# Altium PCB Colin.PcbDoc
Units mil, origin at the board's own origin, x right, y up, seen from the top; angles counter-clockwise.
Board outline 3846.46 x 9071.65 mil, 2 copper layers (Top Layer, Bottom Layer); 41 components, 8 nets, 180 pads, 0 vias.
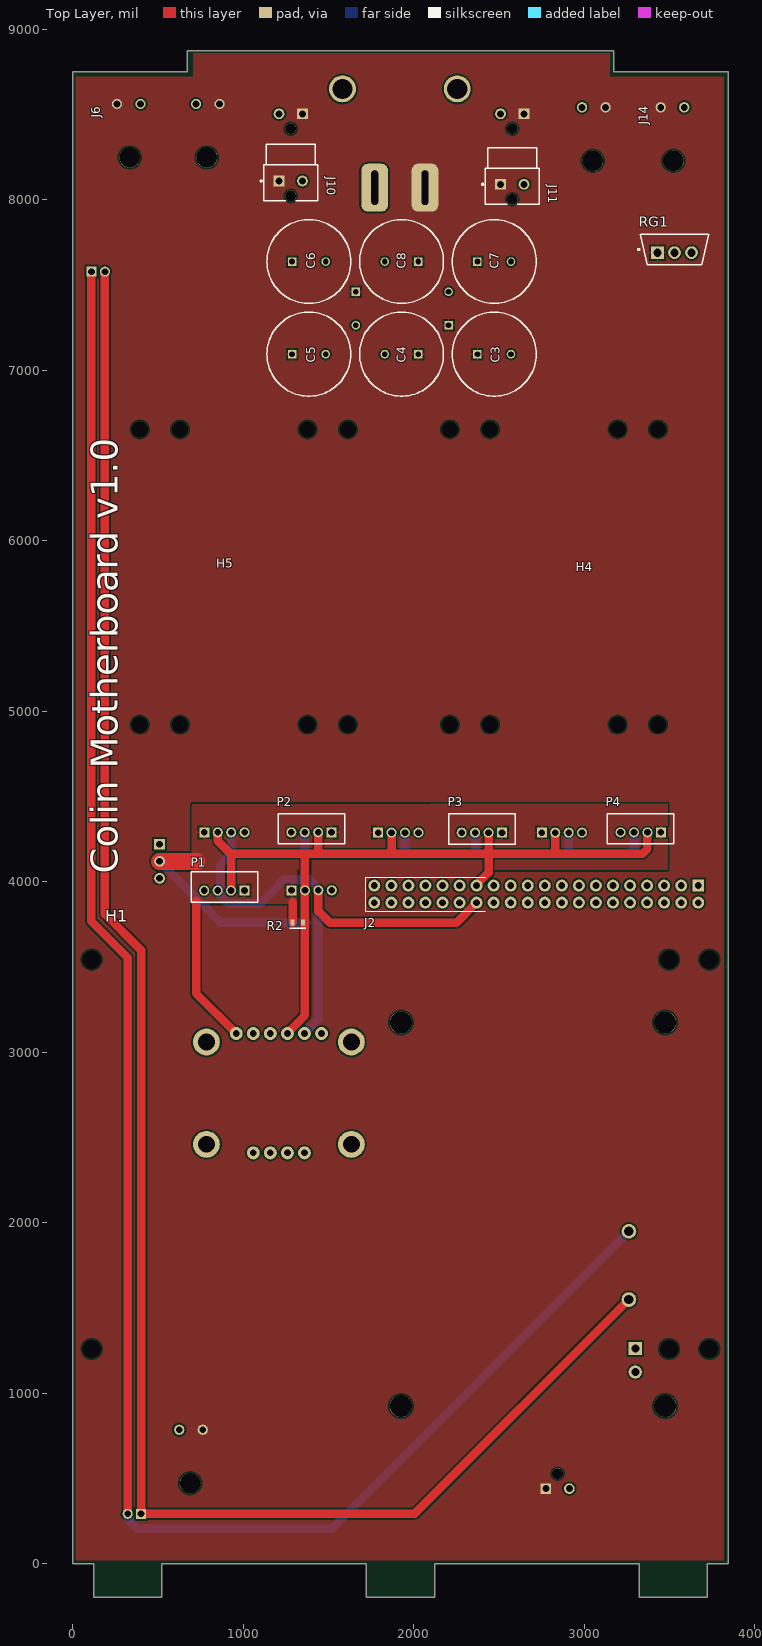
[diagram p0: Top Layer view]
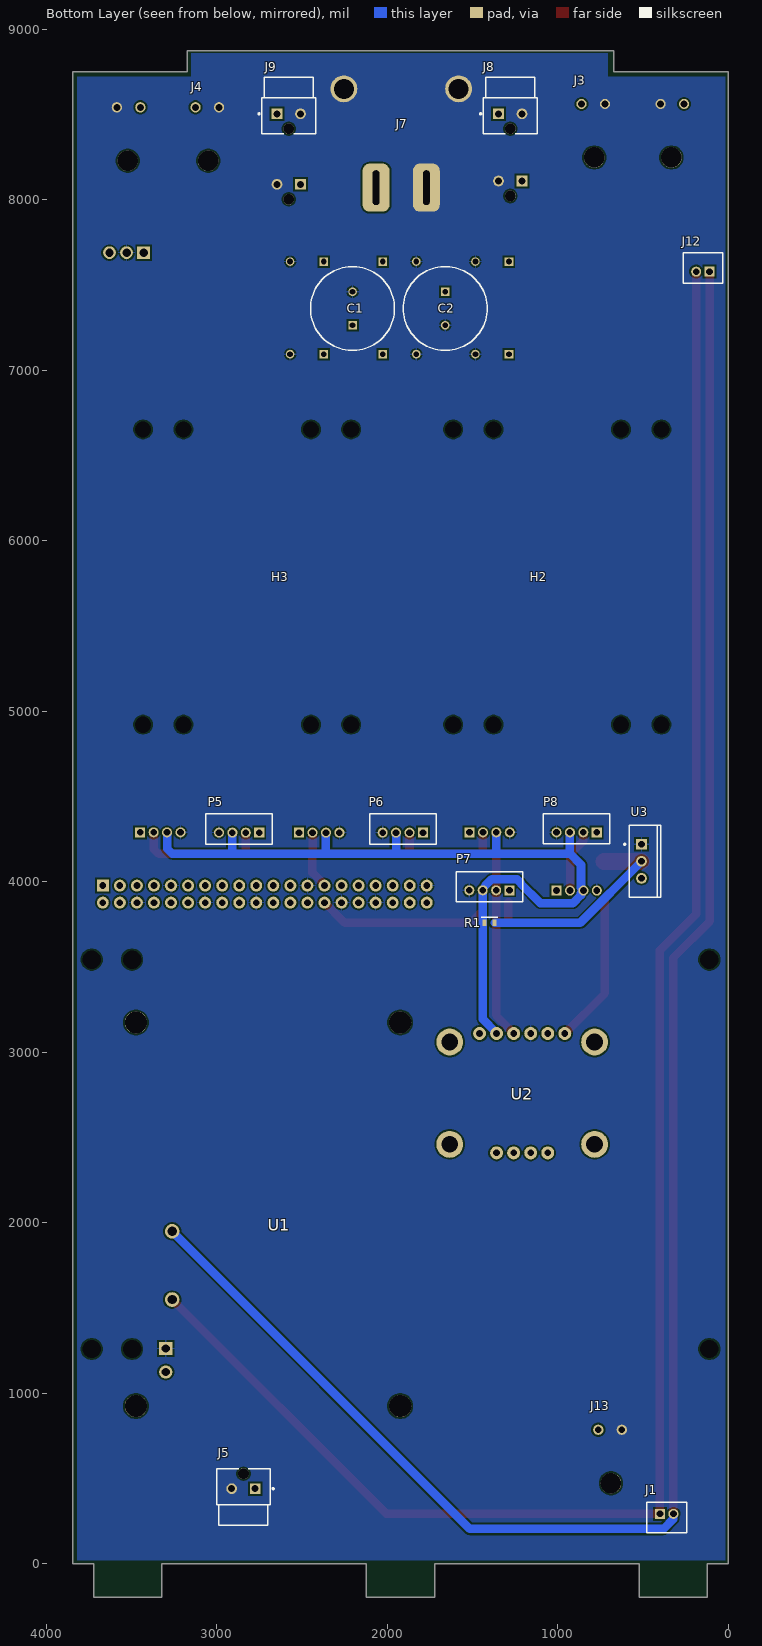
[diagram p1: Bottom Layer view, seen from below]

## Layer stack, top to bottom
Top Solder: solder mask 0.4, Solder Resist, Dk 3.5
Top Layer: signal copper 1.4
Dielectric 1: dielectric 12.6, FR-4, Dk 4.8
Bottom Layer: signal copper 1.4
Bottom Solder: solder mask 0.4, Solder Resist, Dk 3.5

## Board outline
123.23,-196.85 123.23,0 0,0 0,8749.61 673.23,8749.61 673.23,8874.8 3173.23,8874.8 3173.23,8749.61 3846.46,8749.61 3846.46,0 3723.23,0 3723.23,-196.85 3323.23,-196.85 3323.23,0 2123.23,0 2123.23,-196.85 1723.23,-196.85 1723.23,0 523.23,0 523.23,-196.85

## Design rules (kind name [scope] priority, off if disabled: settings)
Clearance [All] p1: gap=10 ignorepadtopadclearanceinfootprint=FALSE except(0: Arc-Hole Track-Hole SMDPad-Hole THPad-Hole Via-Hole Fill-Hole Poly-Hole Region-Hole Text-Hole; 5.91: Arc-Arc Arc-Track Track-Track; 7.87: SMDPad-Via)
HoleSize [All] p1: absolutevalues=TRUE maxlimit=248.03 minlimit=7.87 maxpercent=80.000 minpercent=20.000
HoleToHoleClearance [All] p1: gap=19.68 allowstackedmicrovias=TRUE
MinimumAnnularRing [All] p1: minimumring=7.87
PolygonConnect PolygonConnect_boardpower [(HasFootprint('2CONTAC_ULTRAFIT_R/A') OR HasFootprint('Molex_172286-1102_0') OR HasFootprint('172043-0202'))] p1: connectstyle=Direct reliefconductorwidth=10 reliefentries=4 polygonreliefangle="90 Angle" airgapwidth=10
PolygonConnect [All] p2: connectstyle=Relief reliefconductorwidth=10 reliefentries=4 polygonreliefangle="90 Angle" airgapwidth=10
RoutingVias [All] p1: holewidth=28 width=50 viastyle="Through Hole" minholewidth=28 minwidth=50 maxholewidth=28 maxwidth=50
SilkToSolderMaskClearance [IsPad] p1: minsilkscreentomaskgap=5.91 clearancetoexposedcopper=TRUE
SolderMaskExpansion [All] p1: expansion=4 istentingtop=FALSE
UnpouredPolygon [All] p1: allowunpoured=TRUE
Width [All] p1: maxlimit=100 minlimit=7.87 preferedwidth=50 minimp=50.000000 maximp=50.000000 favimp=50.000000
26 further rules are at their usual default settings.

## Components (designator, comment, footprint, x,y, rotation, side; value= is the part's Value field where it differs from the comment)
C1 "EEU-FC1E102B" EEU-FC1E102B 2204.72,7263.78 r90 bottom
C2 "EEU-FC1E102B" EEU-FC1E102B 1661.25,7460.63 r270 bottom
C3 "EEU-FC1E102B" EEU-FC1E102B 2374.18,7094.32 r0 top
C4 "EEU-FC1E102B" EEU-FC1E102B 2027.56,7094.32 r180 top
C5 "EEU-FC1E102B" EEU-FC1E102B 1287.23,7094.32 r0 top
C6 "EEU-FC1E102B" EEU-FC1E102B 1287.23,7637.8 r0 top
C7 "EEU-FC1E102B" EEU-FC1E102B 2374.18,7637.8 r0 top
C8 "EEU-FC1E102B" EEU-FC1E102B 2027.56,7637.8 r180 top
H1 "Jetson Xavier NX mounting holes" "Jetson mounting holes" -45.28,590.55 r0 top
H2 "ESC mounting holes (2 per symbol)" "Jonathon ESC mounting holes" 1732.28,4803.15 r180 bottom
H3 "ESC mounting holes" "Jonathon ESC mounting holes" 3314.96,4803.15 r180 bottom
H4 "ESC mounting holes" "Jonathon ESC mounting holes" 2330.71,4803.15 r0 top
H5 "ESC mounting holes" "Jonathon ESC mounting holes" 275.59,4803.15 r0 top
J1 "B2B-PH-K-S(LF)(SN)" JST-B2B-PH-K-S_V 362.2,271.65 r180 bottom
J2 "2x20 male pin header" "2x20 pin header" 2719.29,3927.95 r180 top
J3 "MOLEX_172310-1202-R/A" 2CONTAC_ULTRAFIT_R/A 792.91,8660.24 r180 bottom
J4 "MOLEX_172310-1202-R/A" 2CONTAC_ULTRAFIT_R/A 3056.69,8640.55 r180 bottom
J5 "MOLEX_172286-1102-V" Molex_172286-1102_0 2844.49,440.94 r0 bottom
J6 "MOLEX_172310-1202-R/A" 2CONTAC_ULTRAFIT_R/A 329.13,8660.24 r0 top
J7 "Super Sabre 2 Pos Connector" 172043-0202 2333.86,8172.24 r180 bottom
J8 "MOLEX_172286-1102-V" Molex_172286-1102_0 1279.53,8503.94 r180 bottom
J9 "MOLEX_172286-1102-V" Molex_172286-1102_0 2578.74,8503.94 r180 bottom
J10 "MOLEX_172286-1102-V" Molex_172286-1102_0 1279.53,8110.24 r0 top
J11 "MOLEX_172286-1102-V" Molex_172286-1102_0 2578.74,8090.55 r0 top
J12 "B2B-PH-K-S(LF)(SN)" JST-B2B-PH-K-S_V 150,7600 r0 bottom
J13 "MOLEX_172310-1202-R/A" 2CONTAC_ULTRAFIT_R/A 694.49,884.65 r180 bottom
J14 "MOLEX_172310-1202-R/A" 2CONTAC_ULTRAFIT_R/A 3518.11,8640.55 r0 top
P1 "B4B-PH-K-S(LF)(SN)" JST-B4B-PH-K-S_V 890,3970 r180 top
P2 "B4B-PH-K-S(LF)(SN)" JST-B4B-PH-K-S_V 1400.63,4311.65 r180 top
P3 "B4B-PH-K-S(LF)(SN)" JST-B4B-PH-K-S_V 2400,4310 r180 top
P4 "B4B-PH-K-S(LF)(SN)" JST-B4B-PH-K-S_V 3331.89,4311.65 r180 top
P5 "B4B-PH-K-S(LF)(SN)" JST-B4B-PH-K-S_V 2870,4310 r0 bottom
P6 "B4B-PH-K-S(LF)(SN)" JST-B4B-PH-K-S_V 1910,4310 r0 bottom
P7 "B4B-PH-K-S(LF)(SN)" JST-B4B-PH-K-S_V 1401.89,3971.65 r0 bottom
P8 "B4B-PH-K-S(LF)(SN)" JST-B4B-PH-K-S_V 890.63,4311.65 r0 bottom
R1 "SG73G1JTTD2201D" SG73G1JTTD2201D 1401.57,3759.84 r180 bottom
R2 "SG73G1JTTD2201D" SG73G1JTTD2201D 1320.47,3760 r180 top
RG1 "Reg_ON_Semi_MC7805ACTG_eec" ON_Semi_221AB_0 3530,7708.41 r90 top
U1 "FathomX" FATHOM-X 3600.2,3300 r270 bottom
U2 "Adafruit BNO055 IMU" "Adafruit BNO055 IMU" 684.84,3160.24 r0 bottom
U3 "LM1085IT-3.3/NOPB" NDE0003A 510,4120 r270 bottom

## Footprints (in the part's own frame and the unit in brackets; to place one, negate y for a bottom-side part, rotate by r counter-clockwise, add the part's x,y. Pads: shape width x height; smd on the part's side, far side on the other; paste and mask are expansions set on the pad)
2CONTAC_ULTRAFIT_R/A [mm]
  round 1.53 hole 1.02: 1(-1.75,-2.5) 2(1.75,-2.5)
  round 3.05 hole 3.05 unplated: MH1(0.14,-10.47)
  body extent -4.49,-17.65 4.51,-2.02, height 8.56
"2x20 pin header" [mil]
  rect 70x70 / inner round 64.67 / far side rect 70x70 hole 39.37: 1(-950,-50)
  round 70 hole 39.37: 2(-950,50) 3(-850,-50) 4(-850,50) 5(-750,-50) 6(-750,50) 7(-650,-50) 8(-650,50) 9(-550,-50) 10(-550,50) 11(-450,-50) 12(-450,50) 13(-350,-50) 14(-350,50) 15(-250,-50) 16(-250,50) 17(-150,-50) 18(-150,50) 19(-50,-50) 20(-50,50) 21(50,-50) 22(50,50) 23(150,-50) 24(150,50) 25(250,-50) 26(250,50) 27(350,-50) 28(350,50) 29(450,-50) 30(450,50) 31(550,-50) 32(550,50) 33(650,-50) 34(650,50) 35(750,-50) 36(750,50) 37(850,-50) 38(850,50) 39(950,-50) 40(950,50)
  silkscreen extent 300,-100 1000,100, body extent -992,-98 978,98, height 415
172043-0202 [mm] "Super Sabre R/A 2 position connector"
  rrect50% 4x7.15 / inner round 4 / far side rrect50% 4x7.15 hole 5.15 slot 1 at 0 deg: 1(6.79,-2.575)
  round 4 hole 3: 2(1.99,12.14) 2(19.08,12.14)
  rrect50% 4x7.15 / inner round 4 / far side rrect50% 4x7.14 hole 5.15 slot 1 at 0 deg: 2(14.28,-2.575)
  body extent -0.04,-4.69 21.04,15.19, height 13.08
"Adafruit BNO055 IMU" [mm]
  round 1.93 hole 1: 1(9.525,19.05) 2(12.065,19.05) 3(14.605,19.05) 4(17.145,19.05) 5(6.985,1.27) 6(9.525,1.27) 7(12.065,1.27) 8(14.605,1.27) 9(17.145,1.27) 10(19.685,1.27)
  round 4 hole 2.5: BLMOUNT(2.54,2.54) BRMOUNT(24.13,2.54) TLMOUNT(2.54,17.78) TRMOUNT(24.13,17.78)
  body extent 0,0 26.67,20.32, height 4.15
EEU-FC1E102B [mm]
  rect 1.275x1.275 hole 0.85: 1(0,0)
  round 1.275 hole 0.85: 2(5,0)
  silkscreen extent -3.75,-6.25 8.75,6.25, body extent -4,-6.5 9,6.5, height 22
FATHOM-X [mil]
  round 86 hole 55: 1(1350,337.5) 2(1750,337.5)
  rect 78x78 / inner round 72.06 / far side rect 78x78 hole 47.24: 3(2037.5,300)
  round 78 hole 47.24: 4(2175.3,300)
  round 130 hole 130 unplated: MH1(125,1675) MH2(2375,1675) MH3(2375,125) MH4(125,125)
  body extent 0,0 2543,1835, height 661
"Jetson mounting holes" [mm]
  round 1 hole 2.75: 4(4,17) 4(4,75) 4(90,17) 4(90,75) 4(96,17) 4(96,75)
  body extent 0,-2.51 100,78.51, height 24.69
"Jonathon ESC mounting holes" [mm]
  round 1.524 hole 2.4: 5(3,3) 6(28,3) 7(28,47) 8(3,47)
JST-B2B-PH-K-S_V [mm] "Connector, 2-Leads, Body 5.9x4.5mm, Pitch 2mm"
  rect 1.5x1.5 hole 1: 1(-1,0.55)
  round 1.5 hole 1: 2(1,0.55)
  silkscreen extent -2.95,-2.25 2.95,2.25, body extent -2.95,-2.25 2.95,2.25, height 6
JST-B4B-PH-K-S_V [mm] "Connector, 4-Leads, Body 9.9x4.5mm, Pitch 2mm"
  rect 1.5x1.5 hole 1: 1(-3,0.55)
  round 1.5 hole 1: 2(-1,0.55) 3(1,0.55) 4(3,0.55)
  silkscreen extent -4.95,-2.25 4.95,2.25, body extent -4.95,-2.25 4.95,2.25, height 6
Molex_172286-1102_0 [mm]
  rect 1.6x1.6 hole 1.05 paste-1000 mask+0: 1(-1.75,0)
  round 1.6 hole 1.05 paste-1000 mask+0: 2(1.75,0)
  round 1.6 hole 1.6 unplated paste-1000 mask+0: ""(0,-2.23)
  silkscreen extent -4.55,-2.93 4,5.48, body extent -4.5,-2.94 4.5,5.73, height 13.96
NDE0003A [mm] "FM, 3-Leads, Body 10.7x4.7mm, Pitch 2.54mm"
  rect 1.6x1.6 hole 1: 1(-2.54,0)
  round 1.6 hole 1: 2(0,0) 3(2.54,0)
  silkscreen extent -5.35,-2.63 5.35,2.85, body extent -5.4,-1.9 5.4,2.9, height 19.4
ON_Semi_221AB_0 [mm]
  rect 1.9x1.9 hole 1.25 paste-1000 mask+0: 1(-0.467,2.54)
  round 1.9 hole 1.25 paste-1000 mask+0: 2(-0.467,0) 3(-0.467,-2.54)
  silkscreen extent -2.25,-5.08 2.25,5.45, body extent -2.51,-5.24 2.51,5.24, height 0.25
SG73G1JTTD2201D [mm]
  rect 0.6x0.9 smd: 1(-0.75,0) 2(0.75,0)
  silkscreen extent -1.2,0.8 1.2,0.8

## Part data
H2: library part "ESC mounting holes"
J1 J12: library part CMP-2000-05162-1, "Male Header, Pitch 2 mm, 1 x 2 Position, Height 6 mm, Tail Length 3.4 mm, -25 to 85 degC, RoHS, Bulk", Manufacturer=JST, Datasheet URL=http://datasheet.octopart.com/B2B-PH-K-S%28LF%29%28SN%29-JST-datasheet-8324864.pdf, Datasheet Version=Nov-08, Manufacturer URL=http://www.jst.com/home2.html, No of Positions=2, Pitch=2mm, Style/Orientation=StraightHeader/Plug, Termination=Crimp, Type=ShroudedHeader
J3 J4 J6 J13 J14: "172310-1202. - CONNECTOR, HDR, 2POS, 1ROW, 3.5MM, R/A", Color=Black, Manufacturer=Molex, Manufacturer Part Number=172310-1202, Supplier Part Number 1=WM11587-ND, Category="Headers and Wire Housings", ComponentLink1Description=http://www.farnell.com/datasheets/2215923.pdf?src-supplier=Farnell, ComponentLink1URL=http://www.farnell.com/datasheets/2215923.pdf?src-supplier=Farnell, ComponentLink2Description=http://www.alliedelec.com/images/products/datasheets/bm/MOLEX/70617677.pdf?src-supplier=Allied+Electronics, ComponentLink2URL=http://www.alliedelec.com/images/products/datasheets/bm/MOLEX/70617677.pdf?src-supplier=Allied+Electronics, ComponentLink3Description=https://www.molex.com/pdm_docs/sd/1723101202_sd.pdf?src-supplier=Digi-Key, ComponentLink3URL=https://www.molex.com/pdm_docs/sd/1723101202_sd.pdf?src-supplier=Digi-Key, ComponentLink4Description=http://www.farnell.com/datasheets/1955765.pdf?src-supplier=Element14, ComponentLink4URL=http://www.farnell.com/datasheets/1955765.pdf?src-supplier=Element14, ComponentLink5Description=http://www.farnell.com/datasheets/1944206.pdf?src-supplier=Element14, ComponentLink5URL=http://www.farnell.com/datasheets/1944206.pdf?src-supplier=Element14, ComponentLink6Description=http://www.farnell.com/datasheets/2215923.pdf?src-supplier=Newark, ComponentLink6URL=http://www.farnell.com/datasheets/2215923.pdf?src-supplier=Newark, Connector Type="Male Pin", Contact Material="Copper Alloy", Contact Plating=Gold, Fastening Type=Latch, Gender=Male, Mount="Through Hole", Number Of Circuits=2, Number of Contacts=2, Number of Pins=2, Number of Positions=2, Number of Rows=1, Packaging=Tray, Pitch=0.138inch, Pricing 1="1=1.43000, 10=1.22000, 175=1.00749, 1050=0.79537, 4900=0.70523, 10150=0.68933 (USD)", REACH SVHC=Unknown, RoHS=Yes, RoHS Compliant=Yes, Stock 1=2743, Supplier 1=Digi-Key, Termination=Solder
J5 J8 J9 J10 J11: "172286-1102, CONNECTOR, HEADER, 2POS, 1ROW, 3.5MM", Color=Black, Current Rating=14A, Manufacturer=Molex, Manufacturer Part Number=172286-1102, Voltage Rating=400V, Category="Headers and Wire Housings", ComponentLink1Description=http://www.mouser.com/ds/2/276/1722861102_PCB_HEADERS-704547.pdf?src-supplier=Mouser, ComponentLink1URL=http://www.mouser.com/ds/2/276/1722861102_PCB_HEADERS-704547.pdf?src-supplier=Mouser, ComponentLink2Description=http://www.farnell.com/datasheets/2214269.pdf?src-supplier=Farnell, ComponentLink2URL=http://www.farnell.com/datasheets/2214269.pdf?src-supplier=Farnell, ComponentLink3Description=http://www.alliedelec.com/images/products/datasheets/bm/MOLEX/70617660.pdf?src-supplier=Allied+Electronics, ComponentLink3URL=http://www.alliedelec.com/images/products/datasheets/bm/MOLEX/70617660.pdf?src-supplier=Allied+Electronics, ComponentLink4Description=https://www.molex.com/pdm_docs/sd/1722861102_sd.pdf?src-supplier=Digi-Key, ComponentLink4URL=https://www.molex.com/pdm_docs/sd/1722861102_sd.pdf?src-supplier=Digi-Key, ComponentLink5Description=http://www.farnell.com/datasheets/2214269.pdf?src-supplier=Newark, ComponentLink5URL=http://www.farnell.com/datasheets/2214269.pdf?src-supplier=Newark, ComponentLink6Description=http://www.farnell.com/datasheets/1955765.pdf?src-supplier=Element14, ComponentLink6URL=http://www.farnell.com/datasheets/1955765.pdf?src-supplier=Element14, ComponentLink7Description=http://www.farnell.com/datasheets/1944206.pdf?src-supplier=Element14, ComponentLink7URL=http://www.farnell.com/datasheets/1944206.pdf?src-supplier=Element14, Connector Type="Male Pin", Contact Material="Copper Alloy", Contact Plating=Tin, Fastening Type=Latch, Gender=Male, Mount="Through Hole", Number Of Circuits=2, Number of Contacts=2, Number of Pins=2, Number of Positions=2, Number of Rows=1, Orientation=Vertical, Packaging=Tray, Pitch=0.138inch, Pricing 1="1=0.73000, 10=0.61800, 440=0.48105, 2450=0.34360, 4900=0.33215, 12250=0.30466 (USD)", REACH SVHC=Unknown, RoHS=Yes, RoHS Compliant=Yes, Stock 1=6743, Supplier 1=Digi-Key, Termination=Solder
P1 P2 P3 P4 P5 P6 P7 P8: library part CMP-2000-05165-1, "Male Header, Pitch 2 mm, 1 x 4 Position, Height 6 mm, Tail Length 3.4 mm, -25 to 85 degC, RoHS, Bulk", Manufacturer=JST, Datasheet URL=http://datasheet.octopart.com/B4B-PH-K-S%28LF%29%28SN%29-JST-datasheet-10558886.pdf, Datasheet Version=Apr-09, Manufacturer URL=http://www.jst.com/home2.html, No of Positions=4, Pitch=2mm, Style/Orientation=StraightHeader/Plug, Termination=Crimp, Type=ShroudedHeader
R1 R2: "Res Thick Film 0603 2.2K Ohm 0.5% 0.33W(1/3W) ±50ppm/°C Pad SMD Automotive T/R", Manufacturer="KOA Speer", Manufacturer Part Number=SG73G1JTTD2201D, Pricing 1="1=0.06970, 10=0.06900, 25=0.05370, 50=0.05320, 100=0.04410, 250=0.04340, 500=0.04260, 1000=0.04170, 3000=0.04110 (USD)", RoHS=Yes, RoHS Compliant=Yes, Stock 1=4818, Supplier 1="Arrow Electronics", Supplier Part Number 1=SG73G1JTTD2201D
RG1: "REG IC REG LDO 5V 1A TO220AB", Digikey Part Number=MC7805ACTGOS-ND, Manufacturer="ON Semi", Mfg Package Ident=221AB, Mouser Part Number=863-MC7805ACTG, Part Number=MC7805ACTG, Temperature="0°C to +125°C", Temperature Range High=+125°C, Temperature Range Low=0°C, Voltage=5V, Voltage - Dropout (Typical)="2V @ 1A", Voltage - Input="Up to 35V", ComponentLink1Description=Upverter, ComponentLink1URL=https://upverter.com/upn/revision/ddcd03ab3a09e85f/, ComponentLink2Description=Datasheet, ComponentLink2URL=http://www.onsemi.com/pub_link/Collateral/MC7800-D.PDF, Digikey Description="REG IC REG LDO 5V 1A TO220AB", helpURL=https://upverter.com/upn/revision/ddcd03ab3a09e85f/, Ipc Land Pattern Name=TO-220, Lead Free=yes, Package=221AB, Price=0.328005676572, Regulator Topology="Positive Fixed", RoHS=TRUE, Supplier 1=Digi-Key, Supplier 2=Mouser, Supplier Part Number 1=MC7805ACTGOS-ND, Supplier Part Number 2=863-MC7805ACTG, Voltage - Output=5V
U3: library part CMP-0062-02540-3, "3A Low Dropout Positive Regulators, 3-pin TO-220, Pb-Free", Manufacturer="Texas Instruments", PackageTopMarking=NSUZXYTTE#*LM1085*IT-3.3, PowerWise=N, ComponentLink1Description="Datasheet URL", ComponentLink1URL=http://www.ti.com/general/docs/lit/getliterature.tsp?genericPartNumber=LM1085&fileType=pdf, CompType="LDO IC", PackageDescription="TO-220, Molded, 3 Lead, Straight", PackageReference=NDE0003A, PinCount=3, RoHS=Y

## Nets (pads, with @x,y where several pads share a name; then routed paths per layer and width w, separated by ;. In a path a pad name is that pad's centre, name@x,y a point inside that pad or via, vN(x,y) a via of type N, cw(c..) or ccw(c..) an arc to the next point about the centre after c; other vN are vias at no path point)
3V3: P1.1 P2.1 P3.1 P4.1 P5.1 P6.1 P7.1 P8.1 R1.2 R2.2 U2.5 U3.2 | length 2228.9
  Top Layer w50: 724.41,3889.45 724.41,3345.67 U2.5 ; 1290,3880 1290.94,3879.06 R2.2
  Top Layer w100: U3.2 730,4120
  Bottom Layer w50: U3.2 510,4118.98 869.14,3759.84 R1.2
+5: RG1.3
+12: C1.1 C2.1 C3.1 C4.1 C5.1 C6.1 C7.1 C8.1 J3.1 J4.1 J5.1 J6.1 J7.1 J8.1 J9.1 J10.1 J11.1 J13.1 J14.1 RG1.1 U1.4 U3.3
GND: C1.2 C2.2 C3.2 C4.2 C5.2 C6.2 C7.2 C8.2 J2.6 J2.9 J2.14 J2.20 J2.25 J2.30 J2.34 J2.39 J3.2 J4.2 J5.2 J6.2 J7.2 J8.2 J9.2 J10.2 J11.2 J13.2 J14.2 P1.4 P2.4 P3.4 P4.4 P5.4 P6.4 P7.4 P8.4 RG1.2 U1.3 U2.7 U3.1
NetJ1_1: J1.1 J12.2 U1.2 | length 10754.6
  Top Layer w50: J12.2 189.37,3810.91 401.57,3598.71 J1.1 2006,293.31 U1.2
NetJ1_2: J1.2 J12.1 U1.1 | length 11084.2
  Top Layer w50: J12.1@110,7570 110,3767.95 322.83,3555.12 J1.2 J1.2@324.57,291.57
  Bottom Layer w50: J1.2 324.57,291.57 324.57,261.76 381.6,204.72 1517.42,204.72 U1.1
SCL: J2.28 P1.3 P2.3 P3.3 P4.3 P5.3 P6.3 P7.3 P8.3 R1.1 U2.9 | length 6034.8
  Top Layer w50: P7.3 1441.26,3828.74 1510,3760 2251.34,3760 J2.28
  Bottom Layer w50: P8.3 930,4165.12 ; U2.9 U2.9@1359.84,3113.46 ; U2.9@1359.84,3117.27 U2.9@1359.84,3113.46 ; P2.3 1361.26,4166.06 1362.2,4165.12 ; 1427.05,3976.73 1389.25,4014.53 1239.75,4014.53 1219.25,3994.02 1219.25,3990.91 1102.36,3874.02 912.45,3874.02 864.84,3921.62 864.84,3931.68 850.63,3945.9 850.63,3950.8 864.84,3965.01 864.84,4099.96 930,4165.12 ; P7.3 1441.26,3194.88 U2.9@1359.84,3113.46 ; P6.3 1949.37,4165.67 1948.82,4165.12 ; P3.3 2360.63,4166.69 2362.2,4165.12 ; P5.3 2909.37,4165.19 2909.45,4165.12 ; P4.3 3292.52,4194.41 3263.23,4165.12 2909.45,4165.12 ; 930,4165.12 1362.2,4165.12 ; 1362.2,4165.12 1948.82,4165.12 ; 1948.82,4165.12 2362.2,4165.12 ; 2362.2,4165.12 2909.45,4165.12
SDA: J2.27 P1.2 P2.2 P3.2 P4.2 P5.2 P6.2 P7.2 P8.2 R2.1 U2.8 | length 4733
  Top Layer w50: P8.2 851.26,4239.29 929.13,4161.42 929.13,3948.58 P1.2 ; 925.75,4164.8 1440,4164.8 ; U2.8 1259.84,3113.46 1362.52,3216.14 P7.2 1362.52,4159.8 ; P2.2 1440,4169.8 1445,4164.8 1870.63,4164.8 ; P6.2 1870.63,4164.8 ; J2.27 2369.29,3983.36 2440,4054.07 2440,4158.43 2437.01,4161.42 2439.37,4163.78 ; 2439.37,4164.8 1870.63,4164.8 ; P3.2 2439.37,4163.78 ; P5.2 2830.63,4163.78 ; P4.2 3371.26,4193.07 3341.97,4163.78 2830.63,4163.78 ; 2439.37,4163.78 2830.63,4163.78
pads on no net: H1.4 H2.5 H2.6 H2.7 H2.8 H3.5 H3.6 H3.7 H3.8 H4.5 H4.6 H4.7 H4.8 H5.5 H5.6 H5.7 H5.8 J2.1 J2.2 J2.3 J2.4 J2.5 J2.7 J2.8 J2.10 J2.11 J2.12 J2.13 J2.15 J2.16 J2.17 J2.18 J2.19 J2.21 J2.22 J2.23 J2.24 J2.26 J2.29 J2.31 J2.32 J2.33 J2.35 J2.36 J2.37 J2.38 J2.40 J3.MH1 J4.MH1 J5. J6.MH1 J8. J9. J10. J11. J13.MH1 J14.MH1 U1.MH1 U1.MH2 U1.MH3 U1.MH4 U2.1 U2.2 U2.3 U2.4 U2.6 U2.10 U2.BLMOUNT U2.BRMOUNT U2.TLMOUNT U2.TRMOUNT

## Polygon pours and split planes (outlines as drawn)
3V3 on Top Layer "3V3_L01_P000" (solid, remove dead copper, pour order 0): 700,4455.04 700,3870 1314.96,3870 1314.96,4070 3490,4070 3490,4460
+12 on Top Layer "+12_L01_P004" (solid, pour order 4): 19.68,19.68 19.68,8720.47 708.66,8720.47 708.66,8858.27 3149.61,8858.27 3149.61,8720.47 3818.9,8720.47 3818.9,19.68
GND on Bottom Layer "GND_L02_P002" (solid, pour order 2): 19.68,19.68 19.68,8720.47 708.66,8720.47 708.66,8858.27 3149.61,8858.27 3149.61,8720.47 3818.9,8720.47 3818.9,19.68

## Silkscreen, mask and mechanical layers (free items; w line width, h text height)
Top Overlay:
  text "Colin Motherboard v1.0" at 263.78,4047.24 h157.48 r90
Board Outline:
  the board outline again, w0.04

## Text inside footprints (layer, text, board x,y; h text height)
J2: Mechanical 7 "1" at 3681.79,4090.45 h34 r180